# Altium PCB MS-002.27T003 导航台车LED灯环PCB图 V1.0..PcbDoc
Units mil, origin at the board's own origin, x right, y up, seen from the top; angles counter-clockwise.
Board outline 3149.61 x 3149.61 mil, 2 copper layers (Top Layer, Bottom Layer); 33 components, 19 nets, 70 pads, 27 vias.
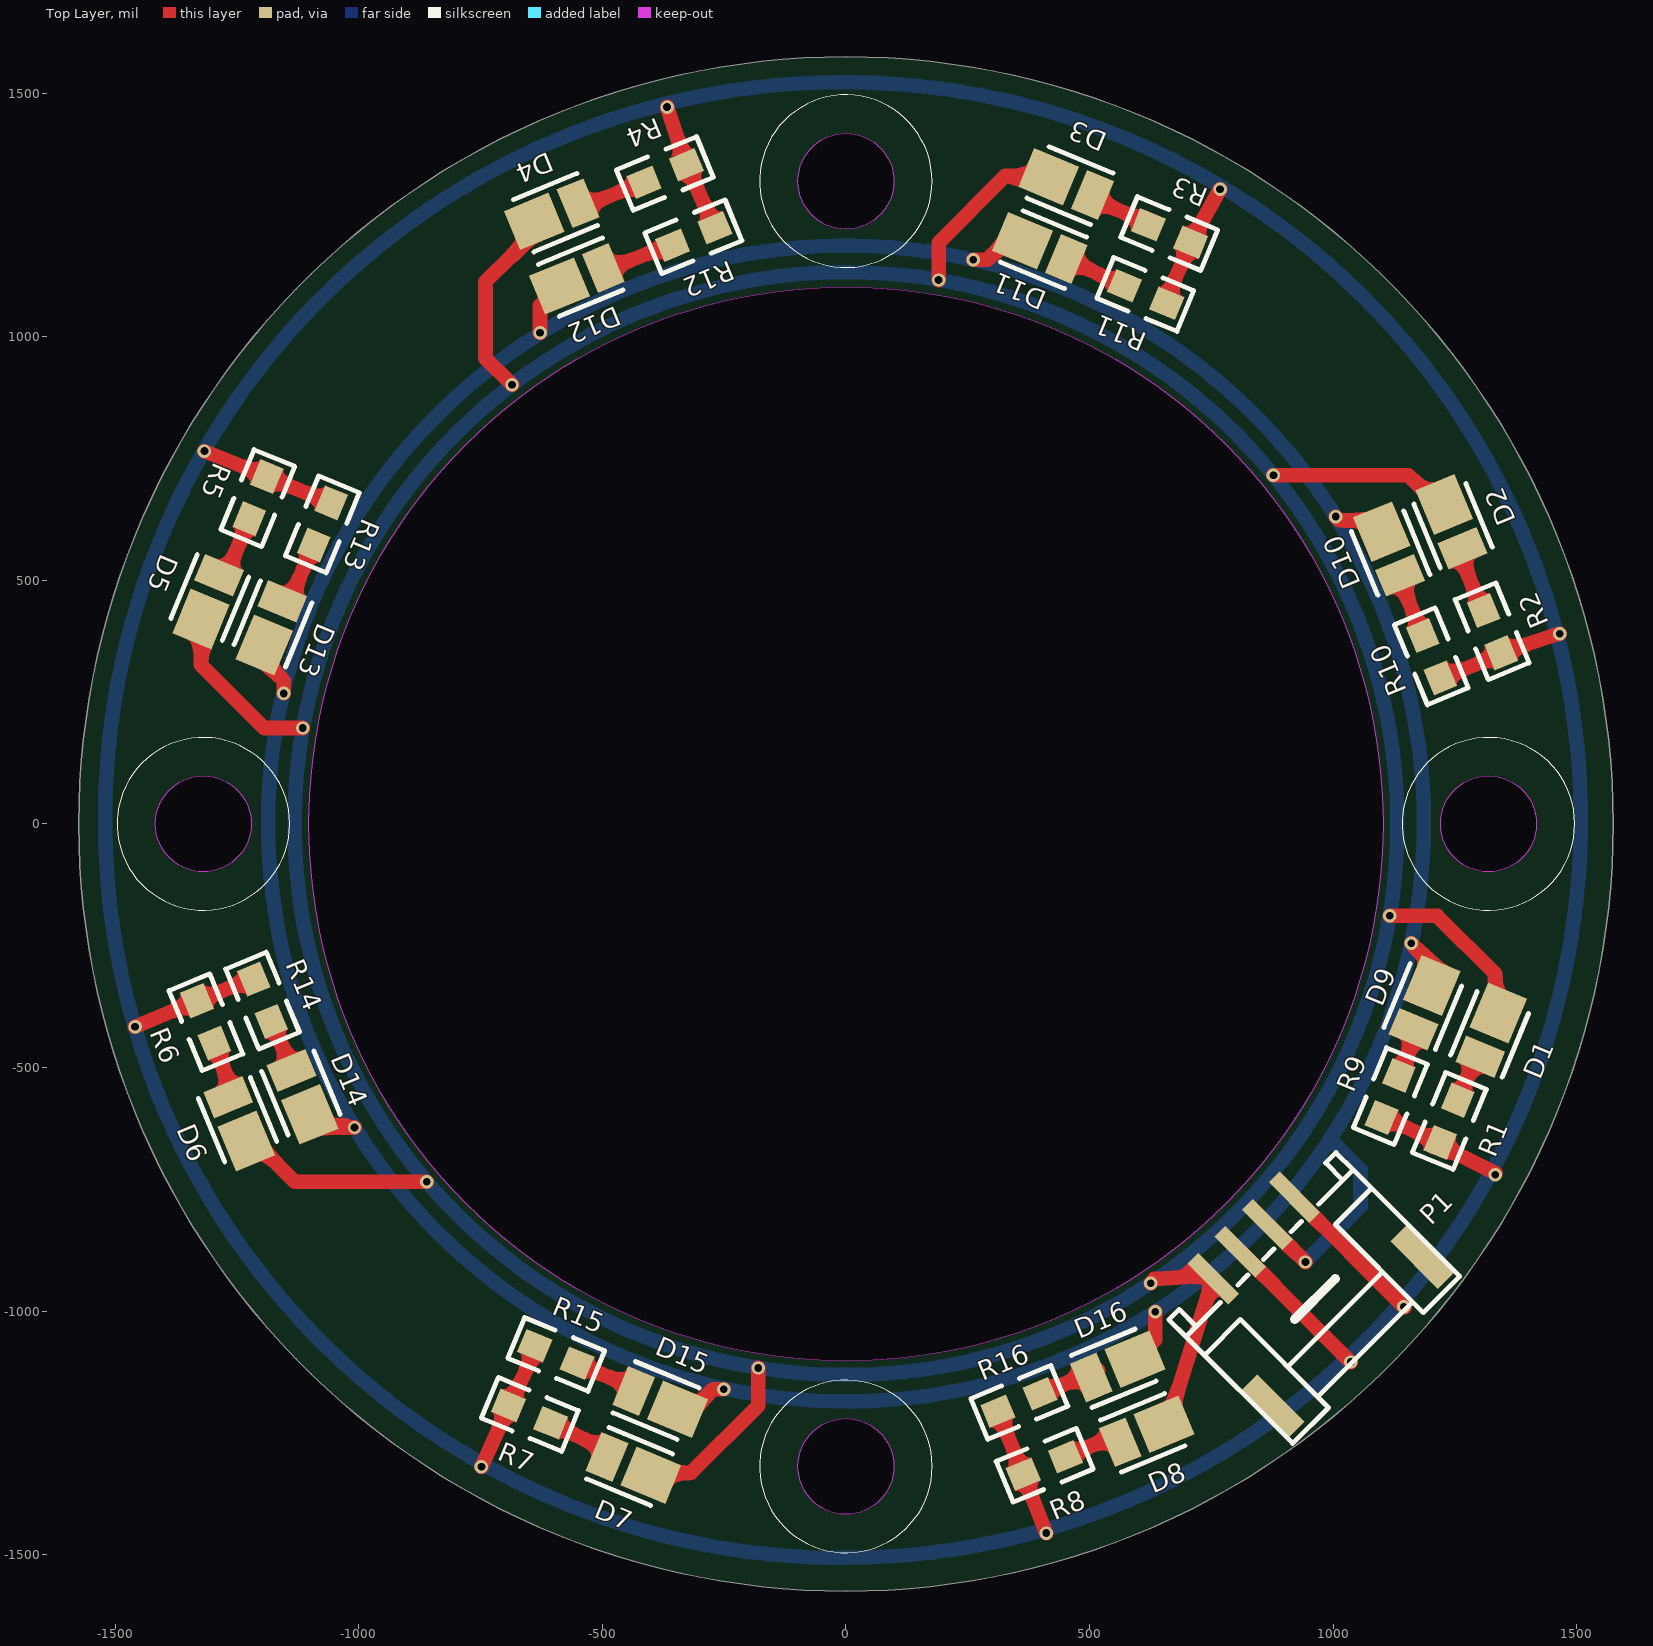
[diagram p0: Top Layer view]
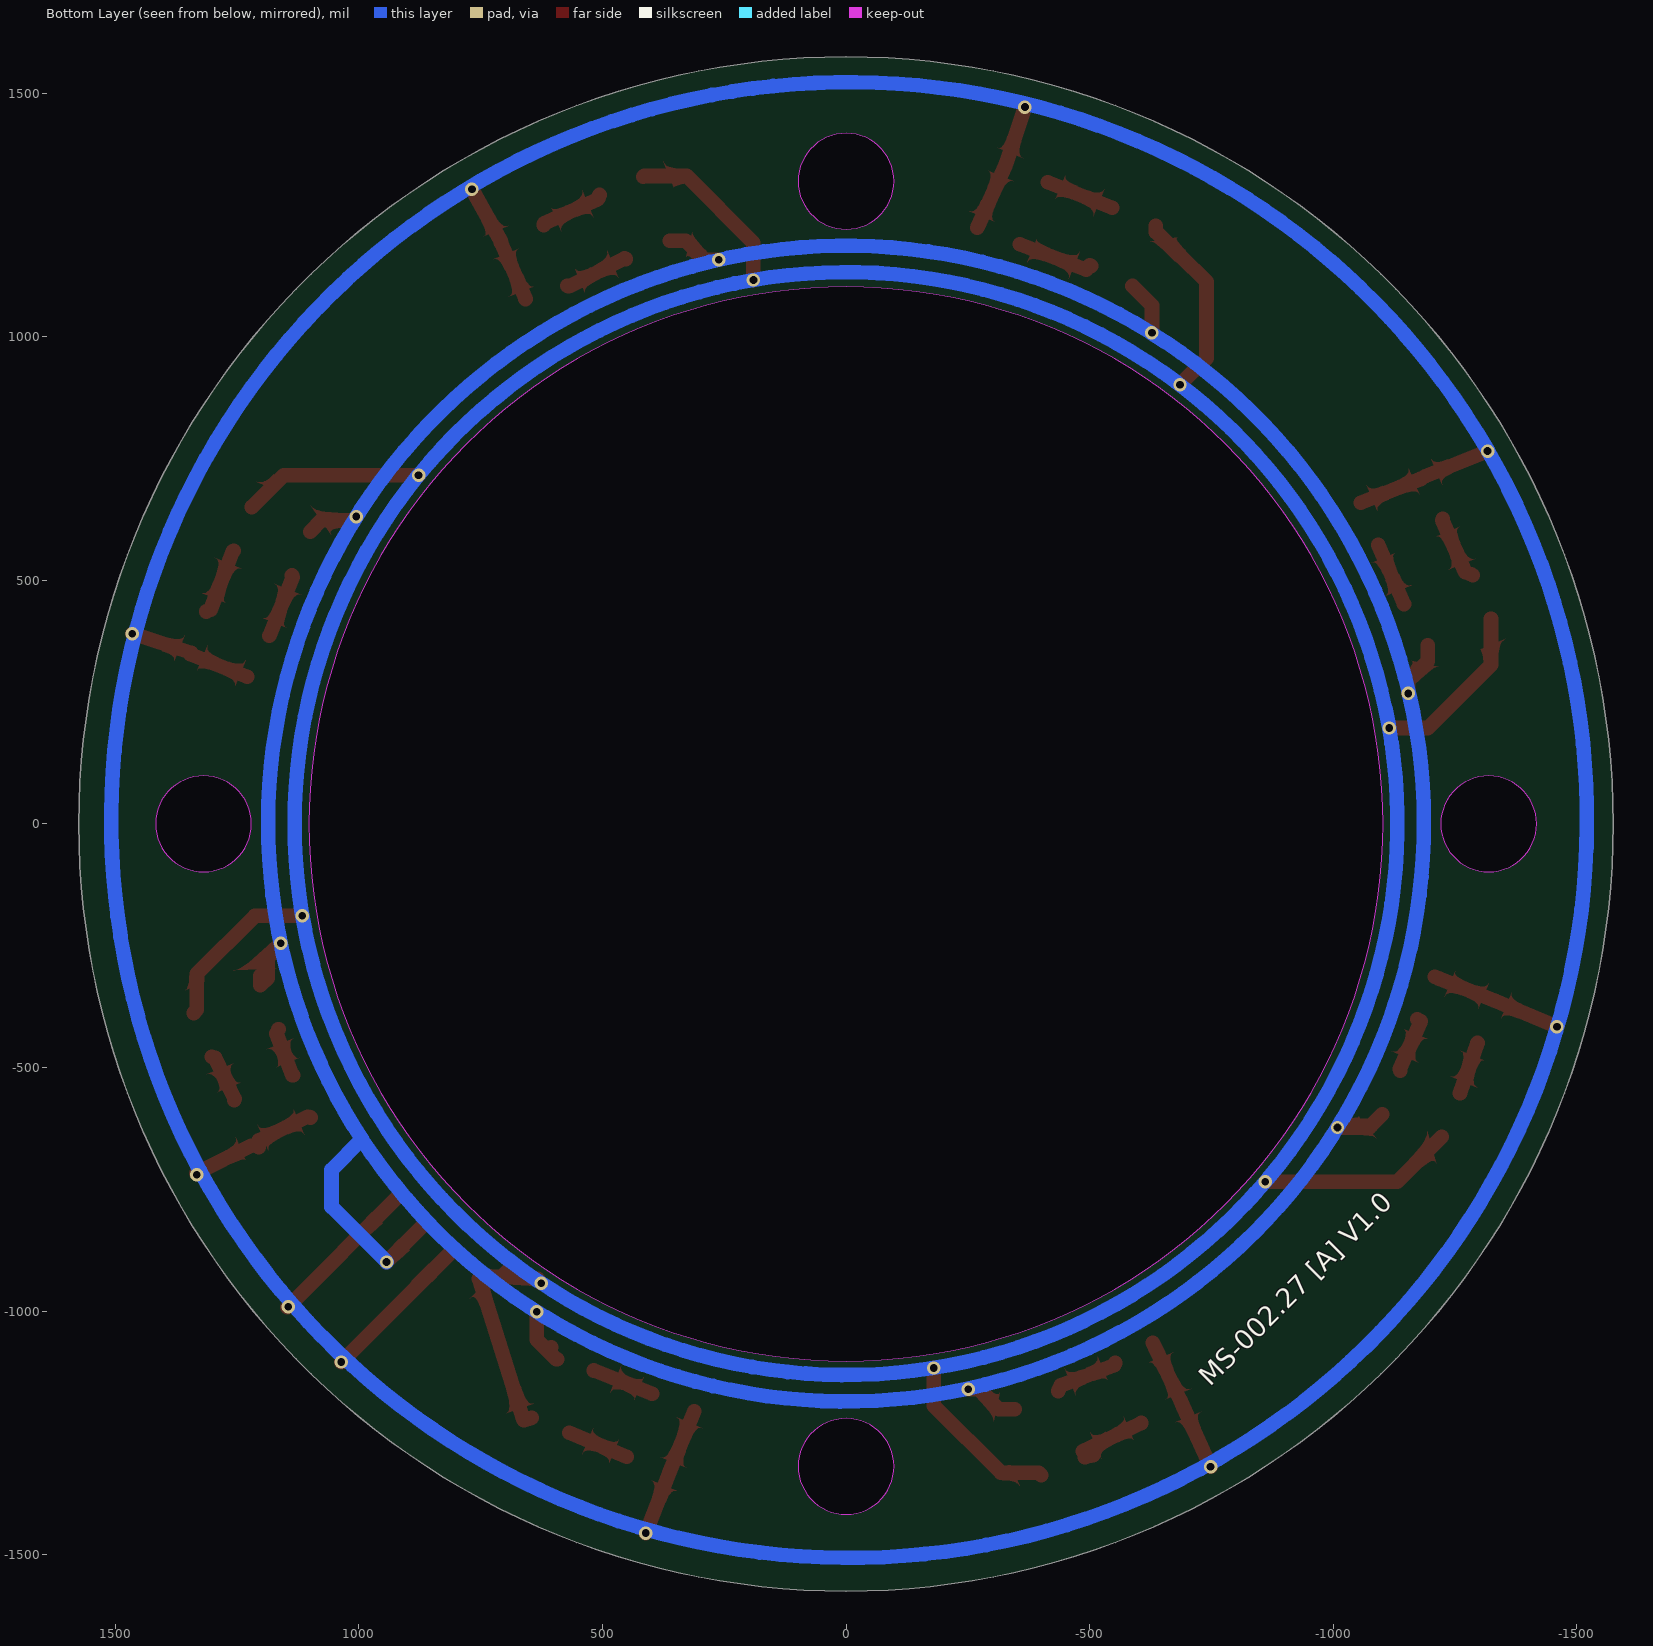
[diagram p1: Bottom Layer view, seen from below]
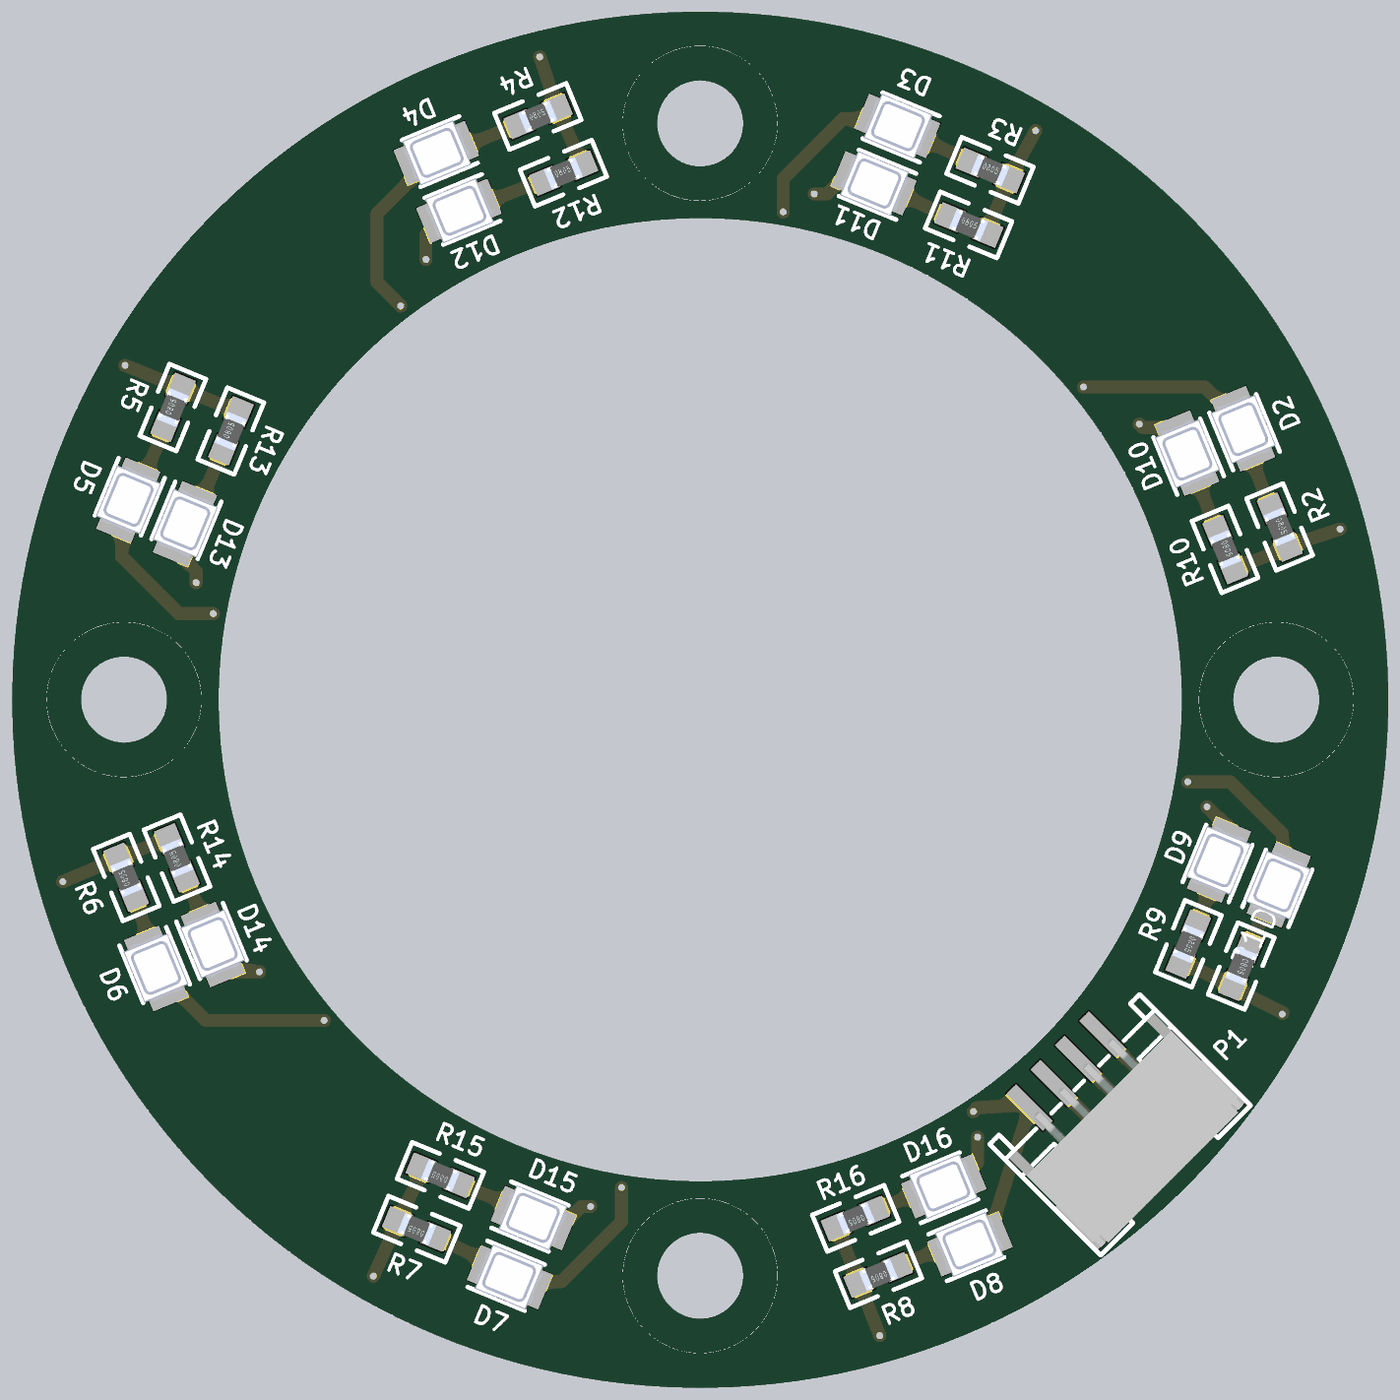
[diagram p2: 3D render of the assembled board from above, using the file's embedded part models]

## Layer stack, top to bottom
Top Solder: solder mask 0.4, Solder Resist, Dk 3.5
Top Layer: signal copper 1.4
Dielectric 1: dielectric 12.6, FR-4, Dk 4.8
Bottom Layer: signal copper 1.4
Bottom Solder: solder mask 0.4, Solder Resist, Dk 3.5

## Board outline
0,-1574.8 cw(c0,0) -1574.8,0 cw(c0,0) 0,1574.8 cw(c0,0) 1574.8,0 cw(c0,0)
cut-out: 0,-1102.36 cw(c0,0) -1102.36,0 cw(c0,0) 0,1102.36 cw(c0,0) 1102.36,0 cw(c0,0)
cut-out: -0.19,-1417.02 cw(c-0.19,-1318.59) -98.61,-1318.59 cw(c-0.19,-1318.59) -0.19,-1220.16 cw(c-0.19,-1318.59) 98.24,-1318.59 cw(c-0.19,-1318.59)
cut-out: -1319.08,-98.12 cw(c-1319.08,0.31) -1417.51,0.31 cw(c-1319.08,0.31) -1319.08,98.73 cw(c-1319.08,0.31) -1220.66,0.31 cw(c-1319.08,0.31)
cut-out: -0.19,1220.78 cw(c-0.19,1319.21) -98.61,1319.21 cw(c-0.19,1319.21) -0.19,1417.63 cw(c-0.19,1319.21) 98.24,1319.21 cw(c-0.19,1319.21)
cut-out: 1318.71,-98.12 cw(c1318.71,0.31) 1220.29,0.31 cw(c1318.71,0.31) 1318.71,98.73 cw(c1318.71,0.31) 1417.14,0.31 cw(c1318.71,0.31)

## Design rules (kind name [scope] priority, off if disabled: settings)
Clearance [All] p1: gap=10 ignorepadtopadclearanceinfootprint=FALSE except(0: Arc-Hole Track-Hole SMDPad-Hole THPad-Hole Via-Hole Fill-Hole Poly-Hole Region-Hole Text-Hole)
PolygonConnect [All] p1: connectstyle=Relief reliefconductorwidth=10 reliefentries=4 polygonreliefangle="90 Angle" airgapwidth=10
RoomDefinition MS-002.27T002 [InComponentClass('MS-002.27T002')] p1: confinementstyle=ConfineOut formatcopy=TRUE lockcomponents=FALSE outline -497.26,-683.4 583.74,-683.4 583.74,-344.4 -497.26,-344.4
RoutingVias [All] p1: holewidth=28 width=50 viastyle="Through Hole" minholewidth=28 minwidth=50 maxholewidth=28 maxwidth=50
SilkToSilkClearance [All] p1: silktosilkclearance=2
SilkToSolderMaskClearance [IsPad] p1: minsilkscreentomaskgap=0 clearancetoexposedcopper=TRUE
SolderMaskExpansion [All] p1: expansion=4 istentingtop=FALSE
Width [All] p1: maxlimit=30 minlimit=20 preferedwidth=30
28 further rules are at their usual default settings.

## Components (designator, comment, footprint, x,y, rotation, side; value= is the part's Value field where it differs from the comment)
D1 "XL-2835UYC-02" LED_2835 1301.79,-477.84 r67.5 top
D2 "XL-2835UYC-02" LED_2835 1265.21,566.16 r112.5 top
D3 "XL-2835UYC-02" LED_2835 505.87,1291.08 r157.5 top
D4 "XL-2835UYC-02" LED_2835 -550,1274 r202.5 top
D5 "XL-2835UYC-02" LED_2835 -1286.79,510.84 r247.5 top
D6 "XL-2835UYC-02" LED_2835 -1268,-561 r292.5 top
D7 "XL-2835UYC-02" LED_2835 -490.5,-1299.45 r337.5 top
D8 "XL-2835UYC-02" LED_2835 563,-1269 r22.5 top
D9 "XL-2835BGWC-02" LED_2835 1164.83,-421 r67.5 top
D10 "XL-2835BGWC-02" LED_2835 1137.21,510.16 r112.5 top
D11 "XL-2835BGWC-02" LED_2835 451.84,1159.79 r157.5 top
D12 "XL-2835BGWC-02" LED_2835 -498.14,1141.52 r202.5 top
D13 "XL-2835BGWC-02" LED_2835 -1157,457 r247.5 top
D14 "XL-2835UYC-02" LED_2835 -1138,-506 r292.5 top
D15 "XL-2835UYC-02" LED_2835 -436,-1164 r337.5 top
D16 "XL-2835UYC-02" LED_2835 503.16,-1136.21 r22.5 top
P1 "PHB-4" "PHB-4Y - duplicate" 920.68,-766.32 r225 top
R1 "130Ω/0805" 0805_R 1256,-567 r247.5 top
R2 "130Ω/0805" 0805_R 1308.61,438.05 r292.5 top
R3 "130Ω/0805" 0805_R 620.74,1229.6 r337.5 top
R4 "130Ω/0805" 0805_R -414.26,1317.6 r22.5 top
R5 "130Ω/0805" 0805_R -1224.84,626.47 r67.5 top
R6 "130Ω/0805" 0805_R -1296.26,-449.4 r112.5 top
R7 "130Ω/0805" 0805_R -606.26,-1229.4 r157.5 top
R8 "130Ω/0805" 0805_R 450.27,-1298.56 r202.5 top
R9 "130Ω/0805" 0805_R 1135,-516 r247.5 top
R10 "130Ω/0805" 0805_R 1183.74,386.6 r292.5 top
R11 "130Ω/0805" 0805_R 571.74,1104.6 r337.5 top
R12 "130Ω/0805" 0805_R -355.79,1187.76 r22.5 top
R13 "130Ω/0805" 0805_R -1092.26,572.6 r67.5 top
R14 "130Ω/0805" 0805_R -1180.02,-405.1 r112.5 top
R15 "130Ω/0805" 0805_R -552.26,-1106.4 r157.5 top
R16 "130Ω/0805" 0805_R 398.27,-1169.56 r202.5 top

## Footprints (in the part's own frame and the unit in brackets; to place one, negate y for a bottom-side part, rotate by r counter-clockwise, add the part's x,y. Pads: shape width x height; smd on the part's side, far side on the other; paste and mask are expansions set on the pad)
0805_R [mm]
  rect 1.45x1.3 smd: 1(0,0) 2(2.379,0)
  silkscreen extent -1.09,-1.15 3.43,1.15, body extent 0.17,-0.62 2.17,0.63, height 0.53
LED_2835 [mm]
  rect 1.501x2.2 smd mask+0.05: 1(0,0)
  rect 2.53x2.2 smd mask+0.05: 2(2.47,0)
  silkscreen extent -0.55,-1.46 3.09,1.46, body extent -0.29,-1.4 3.21,1.4, height 0.8
"PHB-4Y - duplicate" [mm]
  rect 1.2x3.5 smd: 0(-2.5,6.9) 0(8.51,6.9)
  rect 0.8x3 smd: 1(0,0) 2(2,0) 3(4,0) 4(6,0)
  silkscreen extent -3.18,-0.13 9.14,9, body extent -2.98,0.49 8.91,8.79, height 5.55

## Part data
D1 D2 D3 D4 D5 D6 D7 D8 D9 D10 D11 D12 D13 D14 D15 D16: library part LED3, "Typical BLUE SiC LED", DatasheetVersion=16-Apr-2002, LatestRevisionDate=17-Dec-2003, LatestRevisionNote="PCB Footprint replaced.", PackageDescription="SM LED; 2 C-Bend Leads; Body 3.5 x 2.8 x 1.9 mm, inc leads (LxWxH typ)", PackageReference=3.5X2.8X1.9, PackageVersion=16-Apr-2002, Published=8-Jun-2000, Publisher="Altium Limited"
P1: library part HEADER4
R1 R2 R3 R4 R5 R6 R7 R8 R9 R10 R11 R12 R13 R14 R15 R16: library part "0805 13KΩ (1302) 1%", "贴片电阻", PACKAGE=0805, SuppliersPartNumber=C17455, ComponentLink1Description=供应商链接, ComponentLink1URL=http://www.szlcsc.com/product/details_18143.html, Supplier=LC

## Via types
v1: diameter 27.56, hole 15.75, Top Layer to Bottom Layer, tented both sides, 27 vias

## Nets (pads, with @x,y where several pads share a name; then routed paths per layer and width w, separated by ;. In a path a pad name is that pad's centre, name@x,y a point inside that pad or via, vN(x,y) a via of type N, cw(c..) or ccw(c..) an arc to the next point about the centre after c; other vN are vias at no path point)
NetD1_1: D1.1 R1.1 | length 103.3
  Top Layer w30: R1.1 1255,-564.2 1294.62,-480.41 D1.1
NetD1_2: D1.2 D2.2 D3.2 D4.2 D5.2 D6.2 D7.2 D8.2 P1.4 | length 10224.8
  Top Layer w30: D5.2 -1324,327 -1194,197 v1(-1114.73,197) ; D6.2@-1223.04,-642.24 -1131.29,-734 v1(-860.85,-734) ; v1(-685.51,901.51) -740,956 -740,1113 -686.38,1166.62 D4.2@-636.1,1216.9 ; -685.51,1165.75 -636.1,1215.16 D4.2@-636.1,1216.9 ; D4.2@-636.1,1227.39 D4.2@-636.1,1216.9 ; D7.2 -395.98,-1331.98 -318.17,-1331.98 -180,-1193.8 v1(-180,-1116.59) ; v1(190,1116.65) 190,1193.15 327,1330.15 414.17,1330.15 D3.2 ; v1(625.22,-942.64) 632.87,-934 746.6,-927.12 P1.4 661.59,-1223.87 D8.2@645,-1219 ; v1(877.3,716) 1154.34,716 D2.2@1219.74,650.6 ; v1(1115.98,-188) 1213,-188 1332.42,-307.42 1332.42,-381.42 D1.2
  Bottom Layer w30: v1@633.4,-937.16 ccw(c0,0.86) v1@633.4,-937.17
NetD2_1: D2.1 R2.1 | length 139.6
  Top Layer w30: D2.1@1256.96,560.76 1258.45,560.09 1304.33,439.97 R2.1@1312.9,436.13
NetD3_1: D3.1 R3.1 | length 133.7
  Top Layer w30: D3.1 509.2,1282.33 619.55,1232.73 R3.1
NetD4_1: D4.1 R4.1 | length 142.2
  Top Layer w30: D4.1@-546.26,1264.6 R4.1
NetD5_1: D5.1 R5.1 | length 136.7
  Top Layer w30: D5.1 -1282.86,512.35 -1271.25,516.79 -1223.67,623.4 R5.1
NetD6_1: D6.1 R6.1 | length 109.1
  Top Layer w30: R6.1 D6.1@-1260.26,-552.4
NetD7_1: D7.1 R7.1 | length 150.2
  Top Layer w30: R7.1 -501.14,-1280.21 D7.1@-486.26,-1287.4 ; D7.1@-506.93,-1295.46 D7.1
NetD8_1: D8.1 R8.1 | length 127.4
  Top Layer w30: R8.1 D8.1@567.9,-1249.61
NetD9_1: D9.1 R9.1 | length 102.9
  Top Layer w30: R9.1 1136.69,-515.24 1168.94,-430.13 D9.1
NetD9_2: D9.2 D10.2 D11.2 D12.2 D13.2 D14.2 D15.2 D16.2 P1.2 | length 8864.3
  Top Layer w30: D13.2 -1194.21,334.31 -1154,294.09 v1(-1154,268) ; D14.2 D14.2@-1077.56,-619.07 ; v1(-1008.87,-623) v1@-1021.29,-623 ; v1(-628,1008) -628,1064.29 D12.2 ; D15.2 -313.31,-1201.21 -272.09,-1160 v1(-251,-1160) ; v1(260.87,1158) 290.15,1158 329.15,1197 D11.2 ; D16.2 595,-1099 635.06,-1058.94 v1(635.06,-1001) ; D16.2@604.67,-1074.33 605.74,-1075.4 D16.2@605.74,-1084.4 ; P1.2 866.06,-822 v1(943.06,-899) ; v1(1004.96,631) 1012.73,623.23 1076.77,623.23 D10.2 ; v1(1160,-245) 1187.31,-272.31 1187.31,-316.43 D9.2 D9.2@1202.04,-312.04 ; D14.2@-1077.56,-619.07 -1073.63,-623 v1@-1021.29,-623 ; D14.2@-1077.56,-619.07 -1025.22,-619.07 v1@-1021.29,-623
  Bottom Layer w30: v1(943.06,-899) 1056,-786.06 1056,-710 993.53,-647.53 993.28,-647.53 ; 993.28,-647.53 cw(c0,0.86) 1157.81,-257 cw(c0,0.86) 1156,-265.01 cw(c0,0.86) 993.28,-647.53
NetD10_1: D10.1 R10.1 | length 133.5
  Top Layer w30: D10.1 1135.75,506.81 1182.54,387.13 R10.1
NetD11_1: D11.1 R11.1 | length 133.7
  Top Layer w30: D11.1 454.58,1160.7 568.8,1103.62 R11.1
NetD12_1: D12.1 R12.1 | length 149.5
  Top Layer w30: D12.1@-502.98,1145.31 D12.1@-500.02,1146.44 ; D12.1@-493.3,1137.73 R12.1@-356.63,1189.96
NetD13_1: D13.1 R13.1 | length 132.1
  Top Layer w30: D13.1@-1145.26,451.6 R13.1
NetD14_1: D14.1 R14.1 | length 119.3
  Top Layer w30: R14.1@-1172.26,-400.4 R14.1 -1136.83,-502.98 D14.1
NetD15_1: D15.1 R15.1 | length 134.2
  Top Layer w30: R15.1 -550.36,-1110.66 -441.11,-1152.54 -436.05,-1163.89 D15.1
NetD16_1: D16.1 R16.1 | length 128.9
  Top Layer w30: R16.1 D16.1@517.9,-1121.61
VCC: P1.1 P1.3 R1.2 R2.2 R3.2 R4.2 R5.2 R6.2 R7.2 R8.2 R9.2 R10.2 R11.2 R12.2 R13.2 R14.2 R15.2 R16.2 | length 12646.3
  Top Layer w30: v1(-1459.26,-416.4) -1332.41,-363 R6.2 -1216.42,-317.15 R14.2@-1208.1,-313.87 ; v1(-1316.84,765.47) R5.2@-1188.74,713.65 ; R5.2@-1179.42,708.13 R13.2 R5.2@-1179.15,708.78 ; v1(-748.26,-1319.4) -691.5,-1194.14 -685.79,-1181.56 -633.81,-1072.94 R15.2@-629.79,-1064.56 ; v1(-367.26,1471.6) -328.2,1354.87 -327.59,1353.51 -327.51,1353.33 R12.2 ; v1(410.74,-1455.4) 363.81,-1334.58 R8.2 ; R11.2@657.74,1077.6 R3.2@708.16,1193.37 ; R3.2 v1(767.74,1302.6) ; 879.7,-947 810.38,-877.68 P1.3 v1(1035.98,-1104.34) ; P1.1 v1(1145.12,-990.77) 1146.36,-992 v1@1147,-992 ; R9.2 1104.52,-600.68 1205.16,-649.61 R1.2@1205.16,-662.93 ; R1.2@1220.16,-660.04 1222.47,-661.17 1222.61,-661.24 v1@1333.8,-716.8 ; R10.2@1228.74,302.6 R2.2@1345.68,348.4 ; R2.2 v1(1464.74,390.6) ; R8.2 R16.2 R8.2
  Bottom Layer w30: v1@1325.9,-712.18 cw(c-6.35,8.16) v1@1326,-712
  other v1: 1332.35,-719.73
pads on no net: P1.0

## Silkscreen, mask and mechanical layers (free items; w line width, h text height)
Top Overlay:
  circle w0.5: c-1319.08,0.31 r177.17
  circle w0.5: c-0.37,1319.51 r177.17
  circle w0.5: c1318.71,0.31 r177.17
  circle w0.5: c-0.19,-1318.59 r177.17
Bottom Overlay:
  text "MS-002.27 [A] V1.0" at -748,-1156 h40 r315
Mechanical 1:
  circle w0.5: c-0.19,-1318.59 r98.43
  circle w0.5: c-1319.08,0.31 r98.43
  circle w0.5: c-0.19,1319.21 r98.43
  circle w0.5: c1318.71,0.31 r98.43
  circle w0.5: c0,-1318.9 r98.43
  circle w0.5: c-1318.9,0 r98.43
  circle w0.5: c1318.9,0 r98.43
  circle w0.5: c0,1318.9 r98.43
  circle w0.5: c0,0 r1574.8
  circle w0.5: c0,0 r1102.36